# Altium PCB Bad-Fox Prototype.PcbDoc (part 5 of 6) (continued)
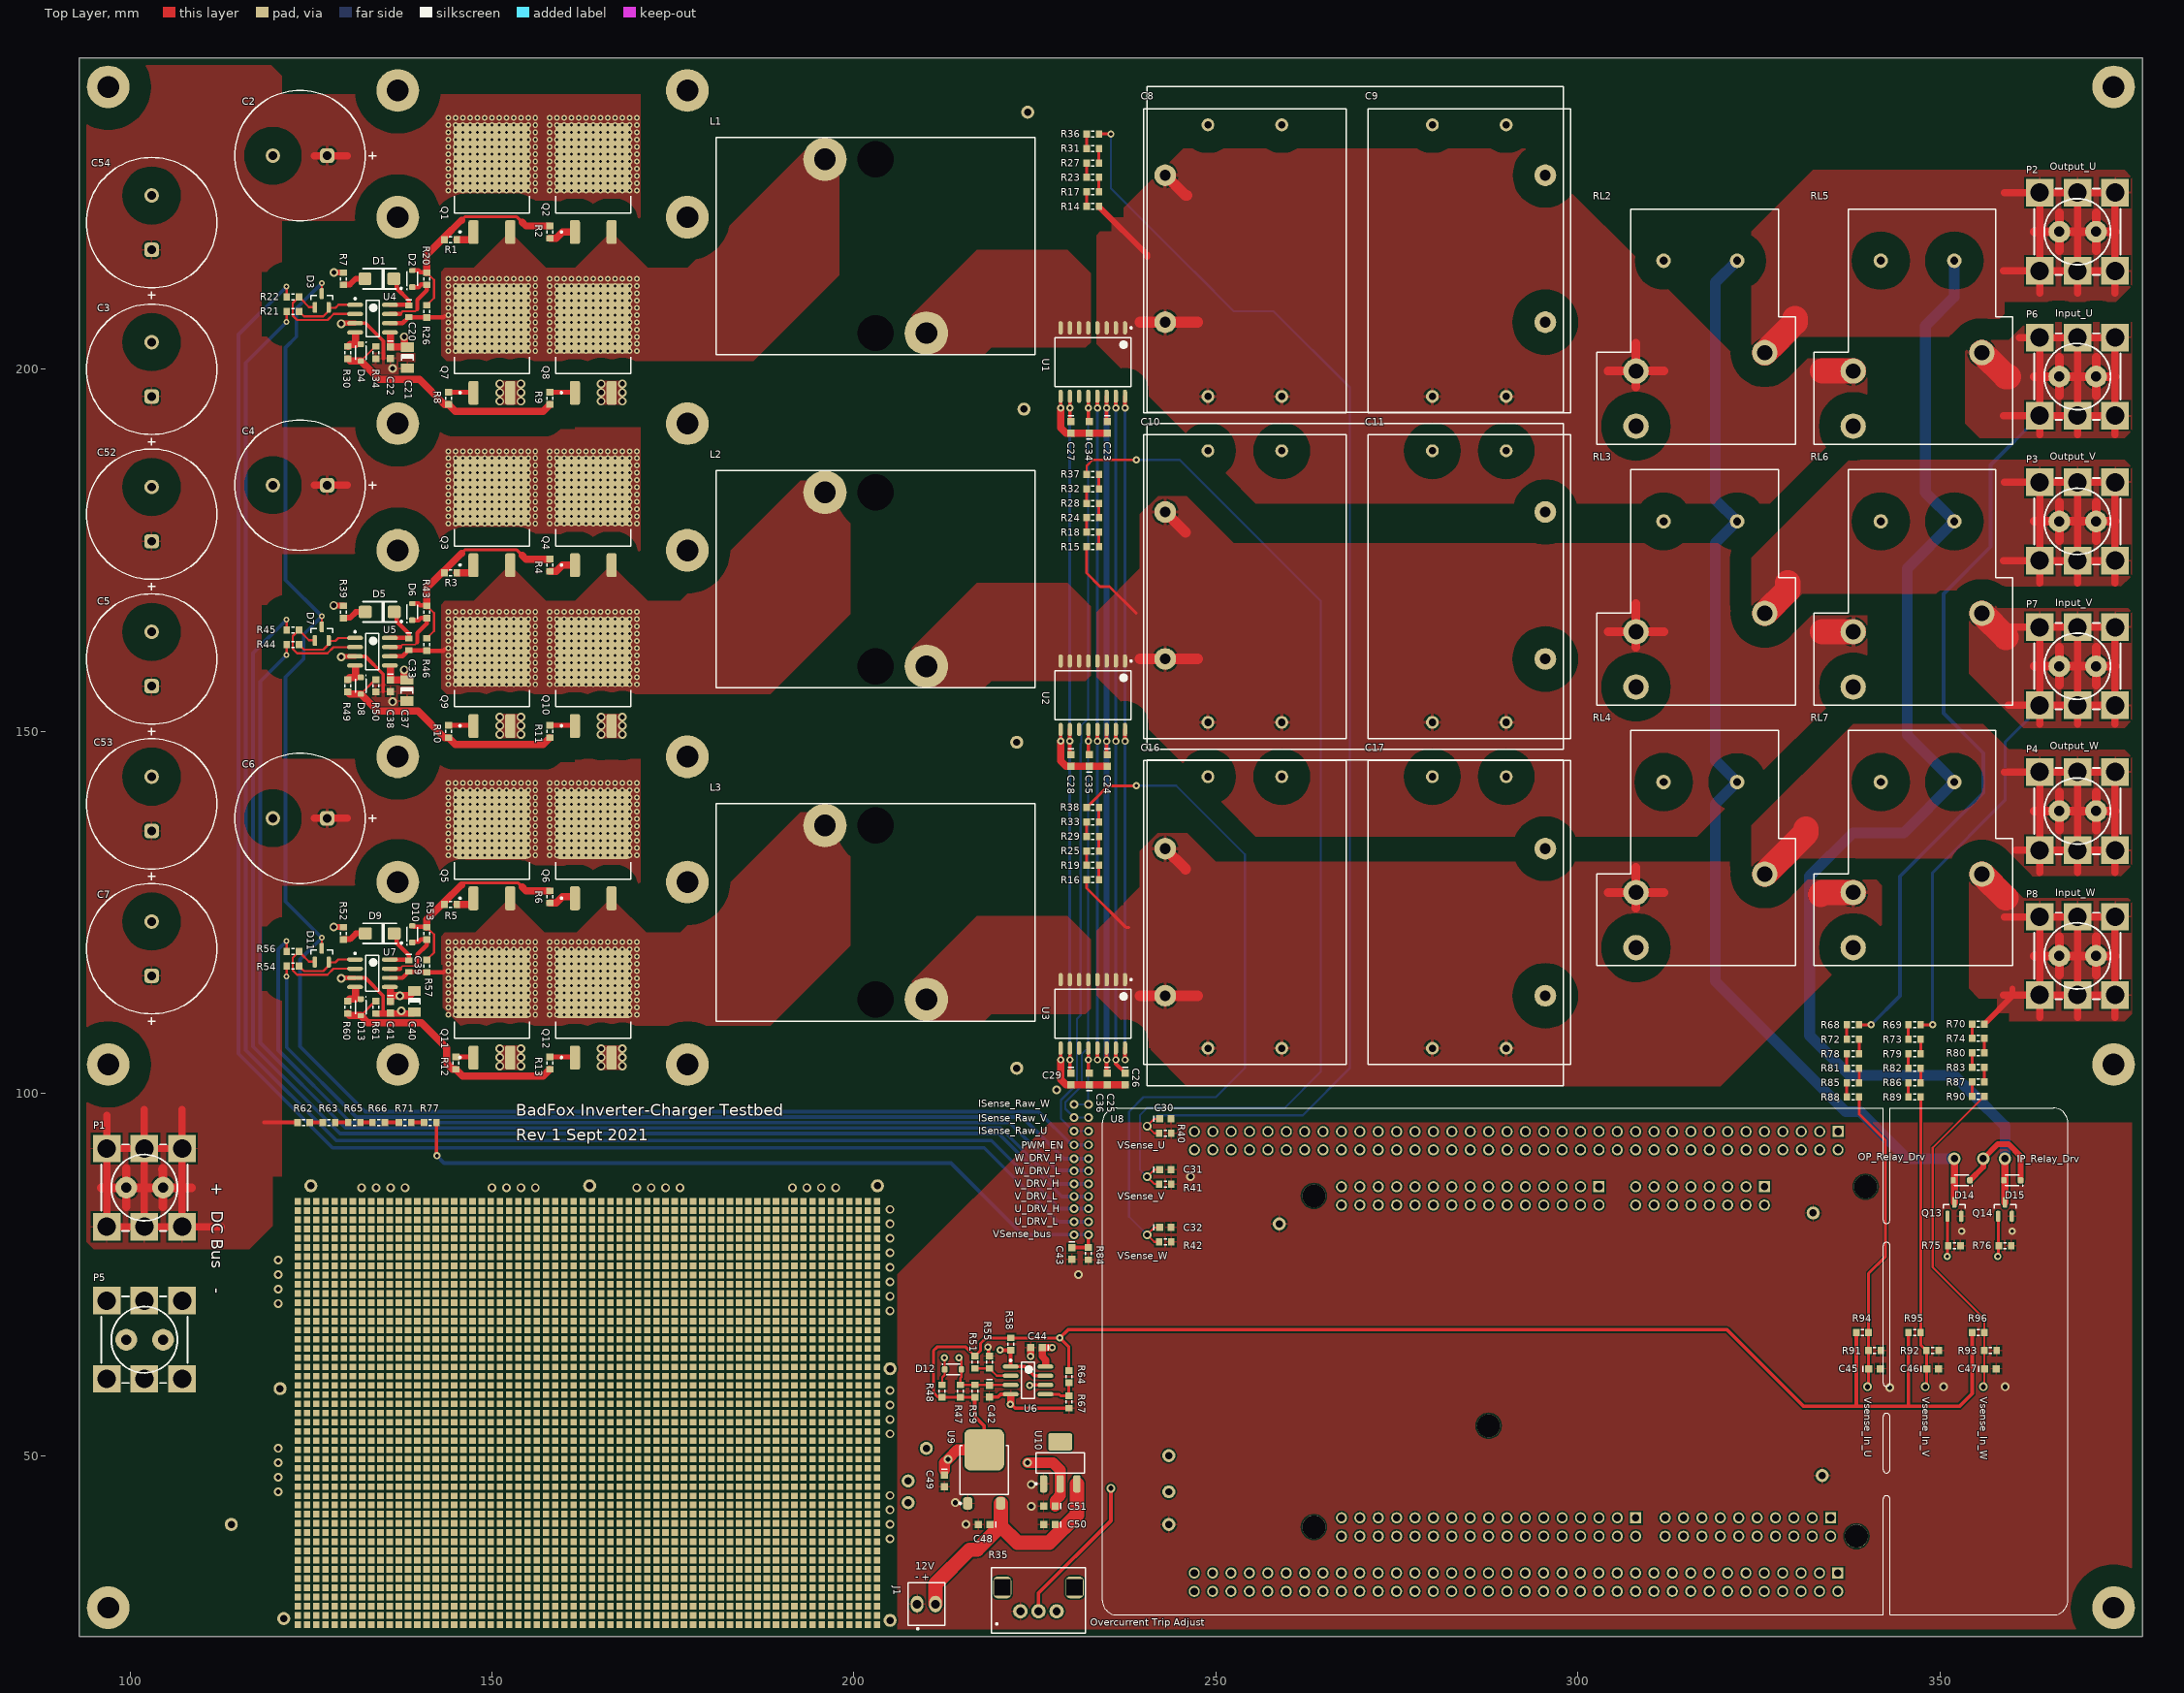
[diagram p0: Top Layer view]
## Nets (pads, with @x,y where several pads share a name; then routed paths per layer and width w, separated by ;. In a path a pad name is that pad's centre, name@x,y a point inside that pad or via, vN(x,y) a via of type N, cw(c..) or ccw(c..) an arc to the next point about the centre after c; other vN are vias at no path point)
3.3V: C23.1 C24.1 C25.1 C49.1 pad.@207.5,46.5 pad.@243.5,50 R35.3 R47.2 R48.2 R51.2 R58.2 R59.2 R64.2 R94.2 R95.2 R96.2 U1.14 U2.14 U3.14 U9.4 | length 441.2
  Top Layer w0.4: R59.2@216.7,58.05 R47.2@214.7,58.05 R48.2@212.2,58.05 211.65,58.05 211,58.7 211,64.5 211.5,65 215.45,65 R51.2@216.7,63.75 216.75,63.75 217,64 217.5,64.5 217.5,65.5 218.25,66.25 R58.2@221.7,66.25 v4(228.45,66.25) 229.7,65 R64.2@229.7,61.75
  Top Layer w0.5: R59.2@216.7,58.05 216.7,55.4 218,54.1 U9.4@218,50.8 ; v4(228.45,66.25) 229.6,67.4 320.6,67.4 331.2,56.8 338.6,56.8 ; U3.14@234.91,106.27 v4(234.91,104.65) 234.91,102.89 C25.1@235,102.8 ; U2.14@234.91,150.27 v4(234.91,148.65) 234.91,146.89 C24.1@235,146.8 ; U1.14@234.91,196.27 v4(234.91,194.65) 234.91,192.89 C23.1@235,192.8 ; R94.2@338.45,67 338.45,56.95 338.6,56.8 ; R95.2@345.65,67 345.65,56.85 345.6,56.8 ; R96.2@354.45,67 354.45,58.55 352.7,56.8 345.6,56.8 ; 338.6,56.8 345.6,56.8
  Top Layer w1.5: 212.5,48 212.5,49 v3(213,49.5) 214.3,50.8 U9.4@218,50.8
  Layer 1 w0.8: 227.75,50.75 234.5,57.5 234.5,100.5 234.91,100.91 v4(234.91,104.65)
  Layer 1 w2: pad.@207.5,46.5 210,46.5 v3(213,49.5) 215.5,52 225.5,52 234,43.5 237,43.5 pad.@243.5,50
  Layer 2 w0.8: v3(213,49.5) 222.5,40 222.5,35.5 228,30 R35.3@228,28.5
  Bottom Layer w0.8: v4(234.91,104.65) v4(234.91,148.65) v4(234.91,194.65)
5V: C51.1 pad.@207.5,43.5 pad.@243.5,45 U10.2 | length 53.5
  Top Layer w1.5: v3(224,49) 227.5,49 228.5,48 U10.2@228.5,46.1 228.5,44.5 227.8,43.8 C51.1@227.8,43
  Layer 1 w1.5: pad.@207.5,43.5 210.5,43.5 216,49 v3(224,49) 225,49 233,41 239.5,41 pad.@243.5,45
12V: C21.1 C22.1 C37.1 C38.1 C40.1 C41.1 C44.1 C48.1 C50.1 D14.1 D15.1 J1.2 pad.@114,40.5 pad.@210,51 R7.1 R39.1 R52.1 RL2.5 RL3.5 RL4.5 RL5.5 RL6.5 RL7.5 U4.5 U5.5 U6.8 U7.5 U9.3 U10.3 | length 873.8
  Top Layer w0.8: v3(128.15,123) 128.165,122.985 129.465,122.985 R52.1@129.5,122.95 ; v3(128.15,167.4) 128.165,167.385 129.465,167.385 R39.1@129.5,167.35 ; v3@128.182,213.368 R7.1@129.482,213.368 ; D14.1@354.15,88 356,89.85 v6(356,91) 358,93 359.5,93 361.15,91.35 D15.1@361.15,88
  Top Layer w1: C41.1@135.984,112.7 135.984,113.4 136.084,113.5 ; U7.5@135.984,114.4 135.984,113.6 136.084,113.5 ; U5.5@135.984,158.8 C38.1@135.984,157.1 C37.1@138.234,157.1 137.884,157.45 v3(137.884,158.5) ; U4.5@136,204.8 C22.1@136,203.1 138.25,203.1 137.9,203.45 v3(137.9,204.5) ; C40.1@139.3,114.15 138.65,113.5 v3(137.3,113.5) 136.084,113.5 ; 226.5,62.6 226.5,63.2 226,63.7 C44.1@226,64.9 v4(227.4,64.9)
  Top Layer w2: J1.2@211.27,29.5 211.27,32.27 216,37 217,37 220.285,40.285 ; U9.3@220.285,43.4 220.285,40.285 ; U10.3@230.8,46.1 230.8,41.8 227,38 222.57,38 220.285,40.285
  Layer 1 w1: pad.@210,51 220.5,61.5 225,61.5 227.4,63.9 v4(227.4,64.9)
  Layer 1 w2: v3(128.168,213.382) 137.05,204.5 v3@137.6,204.5 ; v3(137.9,204.5) v3@137.6,204.5 ; pad.@210,51 206.5,51 203,47.5 203,33.5 ; J1.2@211.27,29.5 211.27,32.23 ; RL2.5@311.84,215 315,211.84 315,182.16 RL3.5@311.84,179 314.5,176.34 314.5,145.66 RL4.5@311.84,143 314.5,140.34 314.5,124 334.5,104 345,104 ; RL5.5@341.84,215 344.5,212.34 344.5,181.66 RL6.5@341.84,179 344,176.84 344,145.16 RL7.5@341.84,143 345,139.84 345,104 ; v3@137.6,204.5 130,196.9 130,188.5 132,186.5 132,181 128.15,177.15 v3(128.15,167.4) 128.984,167.4 v3(137.884,158.5) 129.7,150.316 129.7,143.3 132,141 132,135 128.15,131.15 v3(128.15,123) 136.7,114.45 136.7,113.8 135.8,112.9 131.9,112.9 114,95 pad.@114,40.5 121,33.5 203,33.5 ; 203,33.5 210,33.5 211.27,32.23 ; 211.27,32.23 217.04,38 247,38 258,49 273,49 273.5,48.5 315.5,48.5 356,89 356,96 348.5,103.5 345.5,103.5 345,104
GND: C2.2 C3.2 C4.2 C5.2 C6.2 C7.2 C8.2 C9.2 C10.2 C11.2 C16.2 C17.2 C21.2 C22.2 C30.2 C31.2 C32.2 C37.2 C38.2 C40.2 C41.2 C42.2 C43.2 C44.2 C45.2 C46.2 C47.2 C48.2 C49.2 C50.2 C51.2 C52.2 C53.2 C54.2 J1.1 NT1.1 P5.1 P5.2 P5.3 P5.4 P5.5 P5.6 pad.@99.5,66 pad.@104.58,66 pad.@120.75,59.25 pad.@121.25,27.5 pad.@125,87.25 pad.@163.5,87.25 pad.@203.25,87.25 pad.@205,27.25 pad.@205,62 pad.@222.5,103.5 pad.@222.5,148.5 pad.@223.5,194.5 pad.@224,235.5 pad.@243.5,40.5 pad.@258.75,82 pad.@295.5,113.5 pad.@295.5,133.8 pad.@295.5,160 pad.@295.5,180.3 pad.@295.5,206.5 pad.@295.5,226.8 pad.@332.5,83.5 pad.@333.75,47.25 Q7.3 Q8.3 Q9.3 Q10.3 Q11.3 Q12.3 Q13.2 Q14.2 R34.1 R35.1 R40.1 R41.1 R42.1 R50.1 R55.1 R61.1 R67.1 R75.1 R76.1 R84.1 R91.1 R92.1 R93.1 U4.3 U5.3 U6.4 U7.3 U9.1 U10.1 | length 304.4
  Top Layer w0.5: U7.3@131.1,115.965 132.519,115.965 134.984,113.5 134.984,111.1 ; U5.3@131.1,160.365 132.519,160.365 134.984,157.9 134.984,155.5 ; U4.3@131.116,206.365 132.535,206.365 135,203.9 135,201.5 ; v4(218.5,65) 218.596,64.904 218.596,63.854 R55.1@218.7,63.75 ; C42.2@218.7,58.1 219.9,58.1 220.263,58.463 221.636,58.463 U6.4@221.656,58.482 ; v4(221.6,57.1) 221.735,57.1 222.285,56.55 R67.1@229.7,56.55
  Top Layer w0.7: v3(129.2,206.3) 129.265,206.365 U4.3@131.116,206.365 ; v3@129.249,115.965 U7.3@131.1,115.965 ; v3@129.249,160.365 U5.3@131.1,160.365
  Top Layer w0.9: R61.1@133.984,111.05 139.1,111.05 C40.2@139.3,111.25
  Top Layer w1: v4(221.6,57.1) 221.656,57.156 U6.4@221.656,58.2 ; v4(224.4,63.7) C44.2@224.4,64.9
  Layer 2 w1: 96.793,55.205 P5.1@96.793,60.603 ; 96.793,76.795 P5.6@96.793,71.398 ; 97.631,65.987 pad.@99.551,65.987 ; 99.5,64 pad.@99.5,66 ; 99.5,67.92 pad.@99.5,66 ; 102,55.205 P5.2@102,60.603 ; 102,76.795 P5.5@102,71.398 ; 104.5,64 104.58,64.08 pad.@104.58,66 ; 104.58,67.92 pad.@104.58,66 ; 107.207,55.205 P5.3@107.207,60.603 ; 107.207,76.795 P5.4@107.207,71.398 ; 109,66 107.207,66 ; 112.604,60.603 P5.3@107.207,60.603 ; 112.604,71.398 P5.4@107.207,71.398 ; 289.5,180.5 289.7,180.3 pad.@295.5,180.3 ; 289.7,113.5 pad.@295.5,113.5 ; 289.7,133.8 pad.@295.5,133.8 ; 289.7,160 pad.@295.5,160 ; 289.7,206.5 pad.@295.5,206.5 ; 289.7,226.8 pad.@295.5,226.8 ; 295.5,107.6 pad.@295.5,113.5 ; 295.5,119.3 pad.@295.5,113.5 ; 295.5,127.9 pad.@295.5,133.8 ; 295.5,139.6 pad.@295.5,133.8 ; 295.5,154.1 pad.@295.5,160 ; 295.5,165.8 pad.@295.5,160 ; 295.5,174.4 pad.@295.5,180.3 ; 295.5,186.1 pad.@295.5,180.3 ; 295.5,200.6 pad.@295.5,206.5 ; 295.5,212.3 pad.@295.5,206.5 ; 295.5,220.9 pad.@295.5,226.8 ; 295.5,232.6 pad.@295.5,226.8 ; 301.4,113.5 pad.@295.5,113.5 ; 301.4,133.8 pad.@295.5,133.8 ; 301.4,160 pad.@295.5,160 ; 301.4,180.3 pad.@295.5,180.3 ; 301.4,206.5 pad.@295.5,206.5 ; 301.4,226.8 pad.@295.5,226.8 ; P5.1@96.793,60.603 P5.6@96.793,71.398 ; P5.1@96.793,60.603 P5.2@102,60.603 ; P5.6@96.793,71.398 P5.5@102,71.398 ; pad.@99.5,66 102,66 ; P5.2@102,60.603 102,66 ; P5.2@102,60.603 P5.3@107.207,60.603 ; 102,66 P5.5@102,71.398 ; 102,66 pad.@104.58,66 ; P5.5@102,71.398 P5.4@107.207,71.398 ; pad.@104.58,66 107.207,66 ; P5.3@107.207,60.603 107.207,66 ; 107.207,66 P5.4@107.207,71.398
  other v3: 215.5,40.5 224.5,43 214,43.5 224.5,46 343.1,59.4 350.5,59.5 359,59.5 231,75 246.5,88.5 228,100.5 137.5,111.4 129.184,115.9 136.284,154.1 129.184,160.3 136.3,200.1
  other v4: 353,81 360,81
  other v5: 151.1,103.8 154,103.8 165.1,103.8 168,103.8 151.1,105 154,105 165.1,105 168,105 151.1,106.2 154,106.2 165.1,106.2 168,106.2 151.1,149.6 154,149.6 165.1,149.6 168,149.6 151.1,150.8 154,150.8 165.1,150.8 168,150.8 151.1,152 154,152 165.1,152 168,152 151.1,195.6 154,195.6 165.1,195.6 168,195.6 151.1,196.8 154,196.8 165.1,196.8 168,196.8 151.1,198 154,198 165.1,198 168,198
GND_ISENSE: C23.2 C24.2 C25.2 C26.2 C27.2 C28.2 C29.2 C34.1 C35.1 C36.1 NT1.2 U1.9 U2.9 U3.9 | length 35.7
  Top Layer w0.5: v4(228.555,148.655) U2.9@228.555,150.275 ; v4(228.56,104.65) U3.9@228.56,106.27 ; v4(228.56,194.65) U1.9@228.56,196.27
  Top Layer w1: v4(228.555,148.655) 228.555,145.945 229.295,145.205 C24.2@234.995,145.205 ; v4(228.56,104.65) 228.56,101.94 229.3,101.2 C29.2@230,101.2 C25.2@235,101.2 C26.2@237.5,101.2 ; v4(228.56,194.65) 228.56,191.94 229.3,191.2 C27.2@230,191.2 C23.2@235,191.2
IP_Relay_Ctl: Q14.1 R76.2 | length 5.6
  Top Layer w0.4: v4(358,77.5) 358.05,77.55 Q14.1@358.05,83.05
IP_Relay_Drive: D15.2 Q14.3 RL5.4 RL6.4 RL7.4 | length 171
  Top Layer w1: v6@358.85,90.85 v6(359,91) Q14.3@359,84.95
  Bottom Layer w1.5: RL5.4@352,215 352,210 348,206 348,183 RL6.4@352,179 345.5,172.5 345.5,149.5 RL7.4@352,143 345,136 338,136 332,130 332,108 337.5,102.5 352,102.5 354.5,100 359,95.5 v6(359,91)
ISense_Raw_U: C34.2 U1.12 | length 107.7
  Top Layer w0.5: U1.12@232.37,196.27 v4(232.37,194.65) 232.37,192.93 C34.2@232.5,192.8
  Bottom Layer w0.3: v4(232.37,194.65) 232.37,151.77 231.4,150.8 231.4,148.4 231.3,148.3 231.3,110.8 230.8,110.3 230.8,101.3 228.6,99.1 228.6,96.5 230.3,94.8 v3(230.4,94.8) v3(232.4,94.8)
ISense_Raw_V: C35.2 U2.12 | length 59.3
  Top Layer w0.5: U2.12@232.37,150.27 v4(232.37,148.65) 232.37,146.93 C35.2@232.5,146.8
  Bottom Layer w0.3: v4(232.37,148.65) 232.37,106.37 231.5,105.5 231.5,101.1 229.2,98.8 229.2,97.9 v3(230.4,96.7) v3(232.4,96.7)
ISense_Raw_W: C36.2 U3.12 | length 11.7
  Top Layer w0.5: U3.12@232.37,106.27 v4(232.37,104.65) 232.37,102.93 C36.2@232.5,102.8
  Bottom Layer w0.3: v3(230.4,98.5) v3(232.4,98.5) 232.37,98.53 v4(232.37,104.65)
ISense_Vref: C27.1 C28.1 C29.1 U1.10 U2.10 U3.10 | length 100.6
  Top Layer w0.5: U2.10@229.825,150.275 v4(229.825,148.655) 229.825,146.975 C28.1@230,146.8 ; U3.10@229.83,106.27 v4(229.83,104.65) 229.83,102.97 C29.1@230,102.8 ; U1.10@229.83,196.27 v4(229.83,194.65) 229.83,192.97 C27.1@230,192.8
  Bottom Layer w0.4: v4(229.83,104.65) 229.83,148.655 v4(229.83,194.65)
NetC8_1: C8.1 C9.1 pad.@243,206.5 pad.@243,226.8 R14.2 RL2.2 RL5.2 U1.1 U1.2 U1.3 U1.4 | length 40.1
  Top Layer w0.8: R14.2@233.85,222.5 233.85,222.45 233.9,222.4 233.95,222.4 240.5,215.85 240.5,215.5
  Top Layer w1: 304.1,199.7 304.16,199.76
  Top Layer w1.2: 304.16,199.76 RL2.2@308.03,199.76 ; 308.03,197.6 RL2.2@308.03,199.76 ; 308.03,203.63 RL2.2@308.03,199.76 ; 311.9,199.76 RL2.2@308.03,199.76
  Top Layer w1.5: 239.5,206.5 pad.@243,206.5 247.5,206.5 ; pad.@243,226.8 245.8,224 246,224
  Top Layer w3.5: 333.76,199.76 RL5.2@338.03,199.76
NetC10_1: C10.1 C11.1 pad.@243,160 pad.@243,180.3 R15.2 RL3.2 RL6.2 U2.1 U2.2 U2.3 U2.4 | length 42.8
  Top Layer w0.4: R15.2@232.15,175.5 232.15,171.85 234,170 235.3,170 239,166.3
  Top Layer w1.2: 304.16,163.76 RL3.2@308.03,163.76 ; 308.03,161.6 RL3.2@308.03,163.76 ; 308.03,167.63 RL3.2@308.03,163.76 ; 311.9,163.76 RL3.2@308.03,163.76
  Top Layer w1.5: 239.5,160 pad.@243,160 247.5,160 ; pad.@243,180.3 245.8,177.5
  Top Layer w3.5: 333.76,163.76 RL6.2@338.03,163.76
NetC16_1: C16.1 C17.1 pad.@243,113.5 pad.@243,133.8 R16.2 RL4.2 RL7.2 U3.1 U3.2 U3.3 U3.4 | length 39.2
  Top Layer w0.4: R16.2@232.15,129.5 232.15,128.35 237.55,122.95 238,122.95
  Top Layer w1.2: 304.16,127.76 RL4.2@308.03,127.76 ; 308.03,125.6 RL4.2@308.03,127.76 ; 308.03,131.2 RL4.2@308.03,127.76 ; 311.9,127.76 RL4.2@308.03,127.76
  Top Layer w1.5: 239.5,113.5 pad.@243,113.5 247.5,113.5 ; pad.@243,133.8 245.8,131
  Top Layer w3.5: 333.5,127.5 333.76,127.76 RL7.2@338.03,127.76
NetC20_1: C20.1 D1.1 U4.8 | length 7.1
  Top Layer w0.6: U4.8@135.9,208.905 138.395,208.905 C20.1@138.5,208.8 138.5,209.55 136.871,211.179 136.871,212.335 D1.1@136.706,212.5
NetC20_2: C20.2 L1.1 Q1.3 Q2.3 Q7.4 Q8.4 R26.1 U4.6 | length 8
  Top Layer w0.6: U4.6@135.9,206.365 137.665,206.365 C20.2@138.5,207.2 140.95,207.2 R26.1@141,207.15 143.3,207.15 143.45,207.3
  other v1: 145,202.5 146,202.5 147,202.5 148,202.5 149,202.5 150,202.5 151,202.5 152,202.5 153,202.5 154,202.5 155,202.5 159,202.5 160,202.5 161,202.5 162,202.5 163,202.5 164,202.5 165,202.5 166,202.5 167,202.5 168,202.5 169,202.5 145,203.5 146,203.5 147,203.5 148,203.5 149,203.5 150,203.5 151,203.5 152,203.5 153,203.5 154,203.5 155,203.5 159,203.5 160,203.5 161,203.5 162,203.5 163,203.5 164,203.5 165,203.5 166,203.5 167,203.5 168,203.5 169,203.5 145,204.5 146,204.5 147,204.5 148,204.5 149,204.5 150,204.5 151,204.5 152,204.5 153,204.5 154,204.5 155,204.5 159,204.5 160,204.5 161,204.5 162,204.5 163,204.5 164,204.5 165,204.5 166,204.5 167,204.5 168,204.5 169,204.5 145,205.5 146,205.5 147,205.5 148,205.5 149,205.5 150,205.5 151,205.5 152,205.5 153,205.5 154,205.5 155,205.5 159,205.5 160,205.5 161,205.5 162,205.5 163,205.5 164,205.5 165,205.5 166,205.5 167,205.5 168,205.5 169,205.5 145,206.5 146,206.5 147,206.5 148,206.5 149,206.5 150,206.5 151,206.5 152,206.5 153,206.5 154,206.5 155,206.5 159,206.5 160,206.5 161,206.5 162,206.5 163,206.5 164,206.5 165,206.5 166,206.5 167,206.5 168,206.5 169,206.5 145,207.5 146,207.5 147,207.5 148,207.5 149,207.5 150,207.5 151,207.5 152,207.5 153,207.5 154,207.5 155,207.5 159,207.5 160,207.5 161,207.5 162,207.5 163,207.5 164,207.5 165,207.5 166,207.5 167,207.5 168,207.5 169,207.5 145,208.5 146,208.5 147,208.5 148,208.5 149,208.5 150,208.5 151,208.5 152,208.5 153,208.5 154,208.5 155,208.5 159,208.5 160,208.5 161,208.5 162,208.5 163,208.5 164,208.5 165,208.5 166,208.5 167,208.5 168,208.5 169,208.5 145,209.5 146,209.5 147,209.5 148,209.5 149,209.5 150,209.5 151,209.5 152,209.5 153,209.5 154,209.5 155,209.5 159,209.5 160,209.5 161,209.5 162,209.5 163,209.5 164,209.5 165,209.5 166,209.5 167,209.5 168,209.5 169,209.5 145,210.5 146,210.5 147,210.5 148,210.5 149,210.5 150,210.5 151,210.5 152,210.5 153,210.5 154,210.5 155,210.5 159,210.5 160,210.5 161,210.5 162,210.5 163,210.5 164,210.5 165,210.5 166,210.5 167,210.5 168,210.5 169,210.5 145,211.5 146,211.5 147,211.5 148,211.5 149,211.5 150,211.5 151,211.5 152,211.5 153,211.5 154,211.5 155,211.5 159,211.5 160,211.5 161,211.5 162,211.5 163,211.5 164,211.5 165,211.5 166,211.5 167,211.5 168,211.5 169,211.5
  other v2: 144,202.5 156,202.5 158,202.5 170,202.5 144,203.5 156,203.5 158,203.5 170,203.5 144,204.5 156,204.5 158,204.5 170,204.5 144,205.5 156,205.5 158,205.5 170,205.5 144,206.5 156,206.5 158,206.5 170,206.5 144,207.5 156,207.5 158,207.5 170,207.5 144,208.5 156,208.5 158,208.5 170,208.5 144,209.5 156,209.5 158,209.5 170,209.5 144,210.5 156,210.5 158,210.5 170,210.5 144,211.5 156,211.5 158,211.5 170,211.5 144,212.5 145,212.5 146,212.5 147,212.5 148,212.5 149,212.5 150,212.5 151,212.5 152,212.5 153,212.5 154,212.5 155,212.5 156,212.5 158,212.5 159,212.5 160,212.5 161,212.5 162,212.5 163,212.5 164,212.5 165,212.5 166,212.5 167,212.5 168,212.5 169,212.5 170,212.5
NetC33_1: C33.1 D5.1 U5.8 | length 7.1
  Top Layer w0.6: U5.8@135.9,162.905 138.395,162.905 C33.1@138.5,162.8 138.5,163.55 136.871,165.179 136.871,166.335 D5.1@136.706,166.5
NetC33_2: C33.2 L2.1 Q3.3 Q4.3 Q9.4 Q10.4 R46.1 U5.6 | length 8
  Top Layer w0.6: U5.6@135.9,160.365 137.665,160.365 C33.2@138.5,161.2 140.95,161.2 R46.1@141,161.15 143.3,161.15 143.45,161.3
  other v1: 145,156.5 146,156.5 147,156.5 148,156.5 149,156.5 150,156.5 151,156.5 152,156.5 153,156.5 154,156.5 155,156.5 159,156.5 160,156.5 161,156.5 162,156.5 163,156.5 164,156.5 165,156.5 166,156.5 167,156.5 168,156.5 169,156.5 145,157.5 146,157.5 147,157.5 148,157.5 149,157.5 150,157.5 151,157.5 152,157.5 153,157.5 154,157.5 155,157.5 159,157.5 160,157.5 161,157.5 162,157.5 163,157.5 164,157.5 165,157.5 166,157.5 167,157.5 168,157.5 169,157.5 145,158.5 146,158.5 147,158.5 148,158.5 149,158.5 150,158.5 151,158.5 152,158.5 153,158.5 154,158.5 155,158.5 159,158.5 160,158.5 161,158.5 162,158.5 163,158.5 164,158.5 165,158.5 166,158.5 167,158.5 168,158.5 169,158.5 145,159.5 146,159.5 147,159.5 148,159.5 149,159.5 150,159.5 151,159.5 152,159.5 153,159.5 154,159.5 155,159.5 159,159.5 160,159.5 161,159.5 162,159.5 163,159.5 164,159.5 165,159.5 166,159.5 167,159.5 168,159.5 169,159.5 145,160.5 146,160.5 147,160.5 148,160.5 149,160.5 150,160.5 151,160.5 152,160.5 153,160.5 154,160.5 155,160.5 159,160.5 160,160.5 161,160.5 162,160.5 163,160.5 164,160.5 165,160.5 166,160.5 167,160.5 168,160.5 169,160.5 145,161.5 146,161.5 147,161.5 148,161.5 149,161.5 150,161.5 151,161.5 152,161.5 153,161.5 154,161.5 155,161.5 159,161.5 160,161.5 161,161.5 162,161.5 163,161.5 164,161.5 165,161.5 166,161.5 167,161.5 168,161.5 169,161.5 145,162.5 146,162.5 147,162.5 148,162.5 149,162.5 150,162.5 151,162.5 152,162.5 153,162.5 154,162.5 155,162.5 159,162.5 160,162.5 161,162.5 162,162.5 163,162.5 164,162.5 165,162.5 166,162.5 167,162.5 168,162.5 169,162.5 145,163.5 146,163.5 147,163.5 148,163.5 149,163.5 150,163.5 151,163.5 152,163.5 153,163.5 154,163.5 155,163.5 159,163.5 160,163.5 161,163.5 162,163.5 163,163.5 164,163.5 165,163.5 166,163.5 167,163.5 168,163.5 169,163.5 145,164.5 146,164.5 147,164.5 148,164.5 149,164.5 150,164.5 151,164.5 152,164.5 153,164.5 154,164.5 155,164.5 159,164.5 160,164.5 161,164.5 162,164.5 163,164.5 164,164.5 165,164.5 166,164.5 167,164.5 168,164.5 169,164.5 145,165.5 146,165.5 147,165.5 148,165.5 149,165.5 150,165.5 151,165.5 152,165.5 153,165.5 154,165.5 155,165.5 159,165.5 160,165.5 161,165.5 162,165.5 163,165.5 164,165.5 165,165.5 166,165.5 167,165.5 168,165.5 169,165.5
  other v2: 144,156.5 156,156.5 158,156.5 170,156.5 144,157.5 156,157.5 158,157.5 170,157.5 144,158.5 156,158.5 158,158.5 170,158.5 144,159.5 156,159.5 158,159.5 170,159.5 144,160.5 156,160.5 158,160.5 170,160.5 144,161.5 156,161.5 158,161.5 170,161.5 144,162.5 156,162.5 158,162.5 170,162.5 144,163.5 156,163.5 158,163.5 170,163.5 144,164.5 156,164.5 158,164.5 170,164.5 144,165.5 156,165.5 158,165.5 170,165.5 144,166.5 145,166.5 146,166.5 147,166.5 148,166.5 149,166.5 150,166.5 151,166.5 152,166.5 153,166.5 154,166.5 155,166.5 156,166.5 158,166.5 159,166.5 160,166.5 161,166.5 162,166.5 163,166.5 164,166.5 165,166.5 166,166.5 167,166.5 168,166.5 169,166.5 170,166.5
NetC39_1: C39.1 D9.1 U7.8 | length 7.1
  Top Layer w0.6: U7.8@135.9,118.505 138.395,118.505 C39.1@138.5,118.4 138.5,119.15 136.871,120.779 136.871,121.935 D9.1@136.706,122.1
NetC39_2: C39.2 L3.1 Q5.3 Q6.3 Q11.4 Q12.4 R57.1 U7.6 | length 8
  Top Layer w0.6: U7.6@135.9,115.965 137.665,115.965 C39.2@138.5,116.8 140.95,116.8 R57.1@141,116.75 143.3,116.75 143.45,116.9
  other v1: 145,110.9 146,110.9 147,110.9 148,110.9 149,110.9 150,110.9 151,110.9 152,110.9 153,110.9 154,110.9 155,110.9 159,110.9 160,110.9 161,110.9 162,110.9 163,110.9 164,110.9 165,110.9 166,110.9 167,110.9 168,110.9 169,110.9 145,111.9 146,111.9 147,111.9 148,111.9 149,111.9 150,111.9 151,111.9 152,111.9 153,111.9 154,111.9 155,111.9 159,111.9 160,111.9 161,111.9 162,111.9 163,111.9 164,111.9 165,111.9 166,111.9 167,111.9 168,111.9 169,111.9 145,112.9 146,112.9 147,112.9 148,112.9 149,112.9 150,112.9 151,112.9 152,112.9 153,112.9 154,112.9 155,112.9 159,112.9 160,112.9 161,112.9 162,112.9 163,112.9 164,112.9 165,112.9 166,112.9 167,112.9 168,112.9 169,112.9 145,113.9 146,113.9 147,113.9 148,113.9 149,113.9 150,113.9 151,113.9 152,113.9 153,113.9 154,113.9 155,113.9 159,113.9 160,113.9 161,113.9 162,113.9 163,113.9 164,113.9 165,113.9 166,113.9 167,113.9 168,113.9 169,113.9 145,114.9 146,114.9 147,114.9 148,114.9 149,114.9 150,114.9 151,114.9 152,114.9 153,114.9 154,114.9 155,114.9 159,114.9 160,114.9 161,114.9 162,114.9 163,114.9 164,114.9 165,114.9 166,114.9 167,114.9 168,114.9 169,114.9 145,115.9 146,115.9 147,115.9 148,115.9 149,115.9 150,115.9 151,115.9 152,115.9 153,115.9 154,115.9 155,115.9 159,115.9 160,115.9 161,115.9 162,115.9 163,115.9 164,115.9 165,115.9 166,115.9 167,115.9 168,115.9 169,115.9 145,116.9 146,116.9 147,116.9 148,116.9 149,116.9 150,116.9 151,116.9 152,116.9 153,116.9 154,116.9 155,116.9 159,116.9 160,116.9 161,116.9 162,116.9 163,116.9 164,116.9 165,116.9 166,116.9 167,116.9 168,116.9 169,116.9 145,117.9 146,117.9 147,117.9 148,117.9 149,117.9 150,117.9 151,117.9 152,117.9 153,117.9 154,117.9 155,117.9 159,117.9 160,117.9 161,117.9 162,117.9 163,117.9 164,117.9 165,117.9 166,117.9 167,117.9 168,117.9 169,117.9 145,118.9 146,118.9 147,118.9 148,118.9 149,118.9 150,118.9 151,118.9 152,118.9 153,118.9 154,118.9 155,118.9 159,118.9 160,118.9 161,118.9 162,118.9 163,118.9 164,118.9 165,118.9 166,118.9 167,118.9 168,118.9 169,118.9 145,119.9 146,119.9 147,119.9 148,119.9 149,119.9 150,119.9 151,119.9 152,119.9 153,119.9 154,119.9 155,119.9 159,119.9 160,119.9 161,119.9 162,119.9 163,119.9 164,119.9 165,119.9 166,119.9 167,119.9 168,119.9 169,119.9
  other v2: 144,110.9 156,110.9 158,110.9 170,110.9 144,111.9 156,111.9 158,111.9 170,111.9 144,112.9 156,112.9 158,112.9 170,112.9 144,113.9 156,113.9 158,113.9 170,113.9 144,114.9 156,114.9 158,114.9 170,114.9 144,115.9 156,115.9 158,115.9 170,115.9 144,116.9 156,116.9 158,116.9 170,116.9 144,117.9 156,117.9 158,117.9 170,117.9 144,118.9 156,118.9 158,118.9 170,118.9 144,119.9 156,119.9 158,119.9 170,119.9 144,120.9 145,120.9 146,120.9 147,120.9 148,120.9 149,120.9 150,120.9 151,120.9 152,120.9 153,120.9 154,120.9 155,120.9 156,120.9 158,120.9 159,120.9 160,120.9 161,120.9 162,120.9 163,120.9 164,120.9 165,120.9 166,120.9 167,120.9 168,120.9 169,120.9 170,120.9
NetD1_2: D1.2 R7.2 | length 3
  Top Layer w0.8: R7.2@129.466,211.65 129.516,211.7 130.382,211.7 131.182,212.5 D1.2@132.16,212.5
NetD2_1: D2.1 R20.1 U4.7 | length 10.1
  Top Layer w0.2: 137.65,207.986 137.65,208
  Top Layer w0.3: 137.299,207.635 137.65,207.986 ; 137.65,208 138.975,208 139.4,208 139.7,208.3
  Top Layer w0.6: U4.7@135.9,207.635 137.299,207.635 ; D2.1@139,211.35 139.85,211.35 140.2,211.7 140.95,211.7 R20.1@141,211.65 141,210.9 139.7,209.6 139.7,208.3
NetD2_2: D2.2 R1.2 R2.2 R20.2 R26.2 | length 29.7
  Top Layer w0.3: R26.2@141,208.85 141.05,208.85 141.35,209.15 141.35,209.2 142,209.85 142,212.35 141.35,213 141.35,213.05 141.05,213.35 R20.2@141,213.35
  Top Layer w0.4: 145.8,220.6 146.254,221.054 153.446,221.054 154.2,220.3
  Top Layer w0.6: D2.2@139,213.65 139.85,213.65 140.064,213.436 140.914,213.436 R20.2@141,213.35
  Top Layer w1: R20.2@141,213.35 141,215.808 143.296,218.104 145.792,220.6 145.8,220.6 ; 154.2,220.3 154.7,219.8 R2.2@158,219.8
NetD4_1: D4.1 R30.1 U4.4 | length 2.5
  Top Layer w1: R30.1@130.1,203.15 130.4,203.45 131.15,203.45 U4.4@131.15,204.8
NetD4_2: D4.2 R8.2 R9.2 R30.2 R34.2 | length 34.2
  Top Layer w0.3: D4.2@131.9,201.15 133.9,203.15 R34.2@134,203.15
  Top Layer w1: R30.2@130.1,201.45 130.4,201.15 D4.2@131.9,201.15 134.45,198.6 140,198.6 143.45,195.15 R8.2@144,195.15 144.95,194.2 157.05,194.2 R9.2@158,195.15
NetD5_2: D5.2 R39.2 | length 3
  Top Layer w0.8: R39.2@129.5,165.65 129.55,165.7 130.416,165.7 131.216,166.5 D5.2@132.194,166.5
NetD6_1: D6.1 R43.1 U5.7 | length 10.1
  Top Layer w0.2: 137.299,161.635 137.65,161.986 137.65,162 138.975,162 139.4,162 139.7,162.3
  Top Layer w0.6: U5.7@135.9,161.635 137.299,161.635 ; D6.1@139,165.35 139.85,165.35 140.2,165.7 140.95,165.7 R43.1@141,165.65 141,164.9 139.7,163.6 139.7,162.3
NetD6_2: D6.2 R3.2 R4.2 R43.2 R46.2 | length 29.7
  Top Layer w0.3: R46.2@141,162.85 141.05,162.85 141.35,163.15 141.35,163.2 142,163.85 142,166.35 141.35,167 141.35,167.05 141.05,167.35 R43.2@141,167.35
  Top Layer w0.4: 145.8,174.6 146.254,175.054 153.446,175.054 154.2,174.3
  Top Layer w0.6: D6.2@139,167.65 139.85,167.65 140.064,167.436 140.914,167.436 R43.2@141,167.35
  Top Layer w1: R43.2@141,167.35 141,169.808 145.792,174.6 145.8,174.6 ; 154.2,174.3 154.7,173.8 R4.2@158,173.8
NetD8_1: D8.1 R49.1 U5.4 | length 2.5
  Top Layer w1: R49.1@130.084,157.15 130.384,157.45 131.134,157.45 U5.4@131.134,158.8
NetD8_2: D8.2 R10.2 R11.2 R49.2 R50.2 | length 35.8
  Top Layer w0.3: D8.2@131.884,155.15 133.884,157.15 R50.2@133.984,157.15
  Top Layer w1: R49.2@130.084,155.45 130.384,155.15 D8.2@131.884,155.15 134.234,152.8 139.8,152.8 ; 138.2,152.8 139.8,152.8 ; R11.2@158,149.15 157.05,148.2 144.95,148.2 R10.2@144,149.15 143.45,149.15 139.8,152.8
NetD9_2: D9.2 R52.2 | length 3
  Top Layer w0.8: R52.2@129.5,121.25 129.55,121.3 130.416,121.3 131.216,122.1 D9.2@132.194,122.1
NetD10_1: D10.1 R53.1 U7.7 | length 10.1
  Top Layer w0.2: 137.299,117.235 137.65,117.586 137.65,117.6 138.975,117.6 139.4,117.6 139.7,117.9
  Top Layer w0.6: U7.7@135.9,117.235 137.299,117.235 ; D10.1@139,120.95 139.85,120.95 140.2,121.3 140.95,121.3 R53.1@141,121.25 141,120.5 139.7,119.2 139.7,117.9
NetD10_2: D10.2 R5.2 R6.2 R53.2 R57.2 | length 28
  Top Layer w0.3: R53.2@141,122.95 141.05,122.95 141.35,122.65 141.35,122.6 142,121.95 142,119.45 141.35,118.8 141.35,118.75 R57.2@141.05,118.45
  Top Layer w0.4: 145.8,128.8 146.054,129.054 153.646,129.054 154.2,128.5
  Top Layer w0.6: D10.2@139,123.15 139.15,123 140.95,123 R53.2@141,122.95
  Top Layer w1: R53.2@141,122.95 141,124.008 143.296,126.304 145.792,128.8 145.8,128.8 ; 154.2,128.5 154.7,128 R6.2@158,128
NetD13_1: D13.1 R60.1 U7.4 | length 2.5
  Top Layer w1: R60.1@130.084,112.75 130.384,113.05 131.134,113.05 U7.4@131.134,114.4
NetD13_2: D13.2 R12.2 R13.2 R60.2 R61.2 | length 38.2
  Top Layer w0.3: D13.2@131.884,110.75 133.884,112.75 R61.2@133.984,112.75
  Top Layer w1: R60.2@130.084,111.05 130.384,110.75 D13.2@131.884,110.75 132.834,109.8 139.855,109.8 ; 137.7,109.8 140.25,109.8 143.746,106.304 143.746,104.49 143.754,104.49 143.754,104.28 143.9,104.134 143.9,104 144.55,103.35 R12.2@145,103.35 145.95,102.4 157.05,102.4 R13.2@158,103.35
NetL1_2: L1.2 U1.5 U1.6 U1.7 U1.8
NetL2_2: L2.2 U2.5 U2.6 U2.7 U2.8
NetL3_2: L3.2 U3.5 U3.6 U3.7 U3.8
NetP2_1: P2.1 P2.2 P2.3 P2.4 P2.5 P2.6 pad.@366.5,219 pad.@371.58,219 RL2.1 | length 100.5
  Top Layer w1: 358.791,213.602 359.476,213.602 P2.4@363.793,213.602 ; 358.914,224.397 P2.3@363.793,224.397 ; 363.793,210.5 P2.4@363.793,213.602 ; 369,210.5 P2.5@369,213.602 ; 374.207,210.5 P2.6@374.207,213.602 ; P2.4@363.793,213.602 P2.3@363.793,224.397 ; P2.4@363.793,213.602 P2.5@369,213.602 ; P2.3@363.793,224.397 P2.2@369,224.397 ; P2.5@369,213.602 P2.2@369,224.397 ; P2.5@369,213.602 P2.6@374.207,213.602 ; P2.2@369,224.397 P2.1@374.207,224.397 P2.6@374.207,213.602
  Top Layer w1.2: 363.031,219 pad.@366.5,219 ; 366.5,216.373 pad.@366.5,219 ; 366.5,221.627 pad.@366.5,219 ; 371.58,216.373 pad.@371.58,219 ; 371.58,221.627 pad.@371.58,219 ; 374.207,219 pad.@371.58,219 ; pad.@366.5,219 369,219 pad.@371.58,219
  Top Layer w3.5: RL2.1@325.81,202.3 330,206.49 330,207
NetP3_1: P3.1 P3.2 P3.3 P3.4 P3.5 P3.6 pad.@366.5,179 pad.@371.58,179 RL3.1 | length 99.6
  Top Layer w1: 358.791,173.603 359.476,173.603 P3.1@363.793,173.603 ; 358.914,184.398 P3.6@363.793,184.398 ; 363.793,170.5 P3.1@363.793,173.603 ; 369,170.5 P3.2@369,173.603 ; 374.207,170.5 P3.3@374.207,173.603 ; P3.1@363.793,173.603 P3.2@369,173.603 ; P3.1@363.793,173.603 P3.6@363.793,184.398 ; P3.6@363.793,184.398 P3.5@369,184.398 ; P3.2@369,173.603 P3.3@374.207,173.603 ; P3.2@369,173.603 P3.5@369,184.398 ; P3.5@369,184.398 P3.4@374.207,184.398 P3.3@374.207,173.603
  Top Layer w1.2: 363.031,179 pad.@366.5,179 ; 366.5,176.373 pad.@366.5,179 ; 366.5,181.627 pad.@366.5,179 ; 371.58,176.373 pad.@371.58,179 ; 371.58,181.627 pad.@371.58,179 ; 374.207,179 pad.@371.58,179 ; pad.@366.5,179 369,179 pad.@371.58,179
  Top Layer w3.5: RL3.1@325.81,166.3 329,169.49 329,170.5
NetP4_1: P4.1 P4.2 P4.3 P4.4 P4.5 P4.6 pad.@366.5,139 pad.@371.58,139 RL4.1 | length 100.9
  Top Layer w1: 358.914,144.397 P4.3@363.793,144.397 ; 360.5,133.602 P4.4@363.793,133.602 ; 363.793,130.5 P4.4@363.793,133.602 ; 369,130.5 P4.5@369,133.602 ; 374.207,130.5 P4.6@374.207,133.602 ; P4.4@363.793,133.602 P4.5@369,133.602 ; P4.4@363.793,133.602 P4.3@363.793,144.397 ; P4.3@363.793,144.397 P4.2@369,144.397 ; P4.5@369,133.602 P4.6@374.207,133.602 ; P4.5@369,133.602 P4.2@369,144.397 ; P4.2@369,144.397 P4.1@374.207,144.397 P4.6@374.207,133.602
  Top Layer w1.2: 363.031,139 pad.@366.5,139 ; 366.5,136.373 pad.@366.5,139 ; 366.5,141.627 pad.@366.5,139 ; 371.58,136.373 pad.@371.58,139 ; 371.58,141.627 pad.@371.58,139 ; 374.207,139 pad.@371.58,139 ; pad.@366.5,139 369,139 pad.@371.58,139
  Top Layer w3.5: RL4.1@325.81,130.3 331.5,135.99 331.5,136.5
NetP6_1: P6.1 P6.2 P6.3 P6.4 P6.5 P6.6 pad.@366.5,199 pad.@371.58,199 R68.2 RL5.1 | length 195.5
  Top Layer w0.4: R68.2@338.85,109.5 v4(340.5,109.5)
  Top Layer w1: 358.791,193.603 P6.1@363.793,193.603 ; 361,204.398 P6.6@363.793,204.398 ; 363.793,191 P6.1@363.793,193.603 ; 369,191 P6.2@369,193.603 ; 374.207,191 P6.3@374.207,193.603 ; P6.1@363.793,193.603 P6.2@369,193.603 ; P6.1@363.793,193.603 P6.6@363.793,204.398 ; P6.6@363.793,204.398 P6.5@369,204.398 ; P6.2@369,193.603 P6.3@374.207,193.603 ; P6.2@369,193.603 P6.5@369,204.398 ; P6.5@369,204.398 P6.4@374.207,204.398 P6.3@374.207,193.603
  Top Layer w1.2: 363.031,199 pad.@366.5,199 ; 366.5,196.373 pad.@366.5,199 ; 366.5,201.627 pad.@366.5,199 ; 371.58,196.373 pad.@371.58,199 ; 371.58,201.627 pad.@371.58,199 ; 374.207,199 pad.@371.58,199 ; pad.@366.5,199 369,199 pad.@371.58,199
  Top Layer w3.5: RL5.1@355.81,202.3 359.11,199 359.5,199
  Bottom Layer w0.5: v4(340.5,109.5) 344.5,113.5 344.5,130 356,141.5 356,147 350.5,152.5 350.5,169 357,175.5 357,186.809 P6.1@363.793,193.603
NetP7_1: P7.1 P7.2 P7.3 P7.4 P7.5 P7.6 pad.@366.5,159 pad.@371.58,159 R69.2 RL6.1 | length 148.4
  Top Layer w0.4: R69.2@347.35,109.5 v4(349,109.5)
  Top Layer w1: 358.914,164.397 P7.6@363.793,164.397 ; 359.476,153.602 P7.1@363.793,153.602 ; 363.793,151 P7.1@363.793,153.602 ; 369,151 P7.2@369,153.602 ; 374.207,151 P7.3@374.207,153.602 ; P7.1@363.793,153.602 P7.2@369,153.602 ; P7.1@363.793,153.602 P7.6@363.793,164.397 ; P7.6@363.793,164.397 P7.5@369,164.397 ; P7.2@369,153.602 P7.3@374.207,153.602 ; P7.2@369,153.602 P7.5@369,164.397 ; P7.5@369,164.397 P7.4@374.207,164.397 P7.3@374.207,153.602
  Top Layer w1.2: 363.031,159 pad.@366.5,159 ; 366.5,156.373 pad.@366.5,159 ; 366.5,161.627 pad.@366.5,159 ; 371.58,156.373 pad.@371.58,159 ; 371.58,161.627 pad.@371.58,159 ; 374.207,159 pad.@371.58,159 ; pad.@366.5,159 369,159 pad.@371.58,159
  Top Layer w3.5: RL6.1@355.81,166.3 359.11,163
  Bottom Layer w0.4: v4(349,109.5) 349,130.5 359,140.5 359,148.5 363.793,153.293 P7.1@363.793,153.602